# Altium PCB Copy of foxbms2-master.PcbDoc (part 8 of 11) (continued)
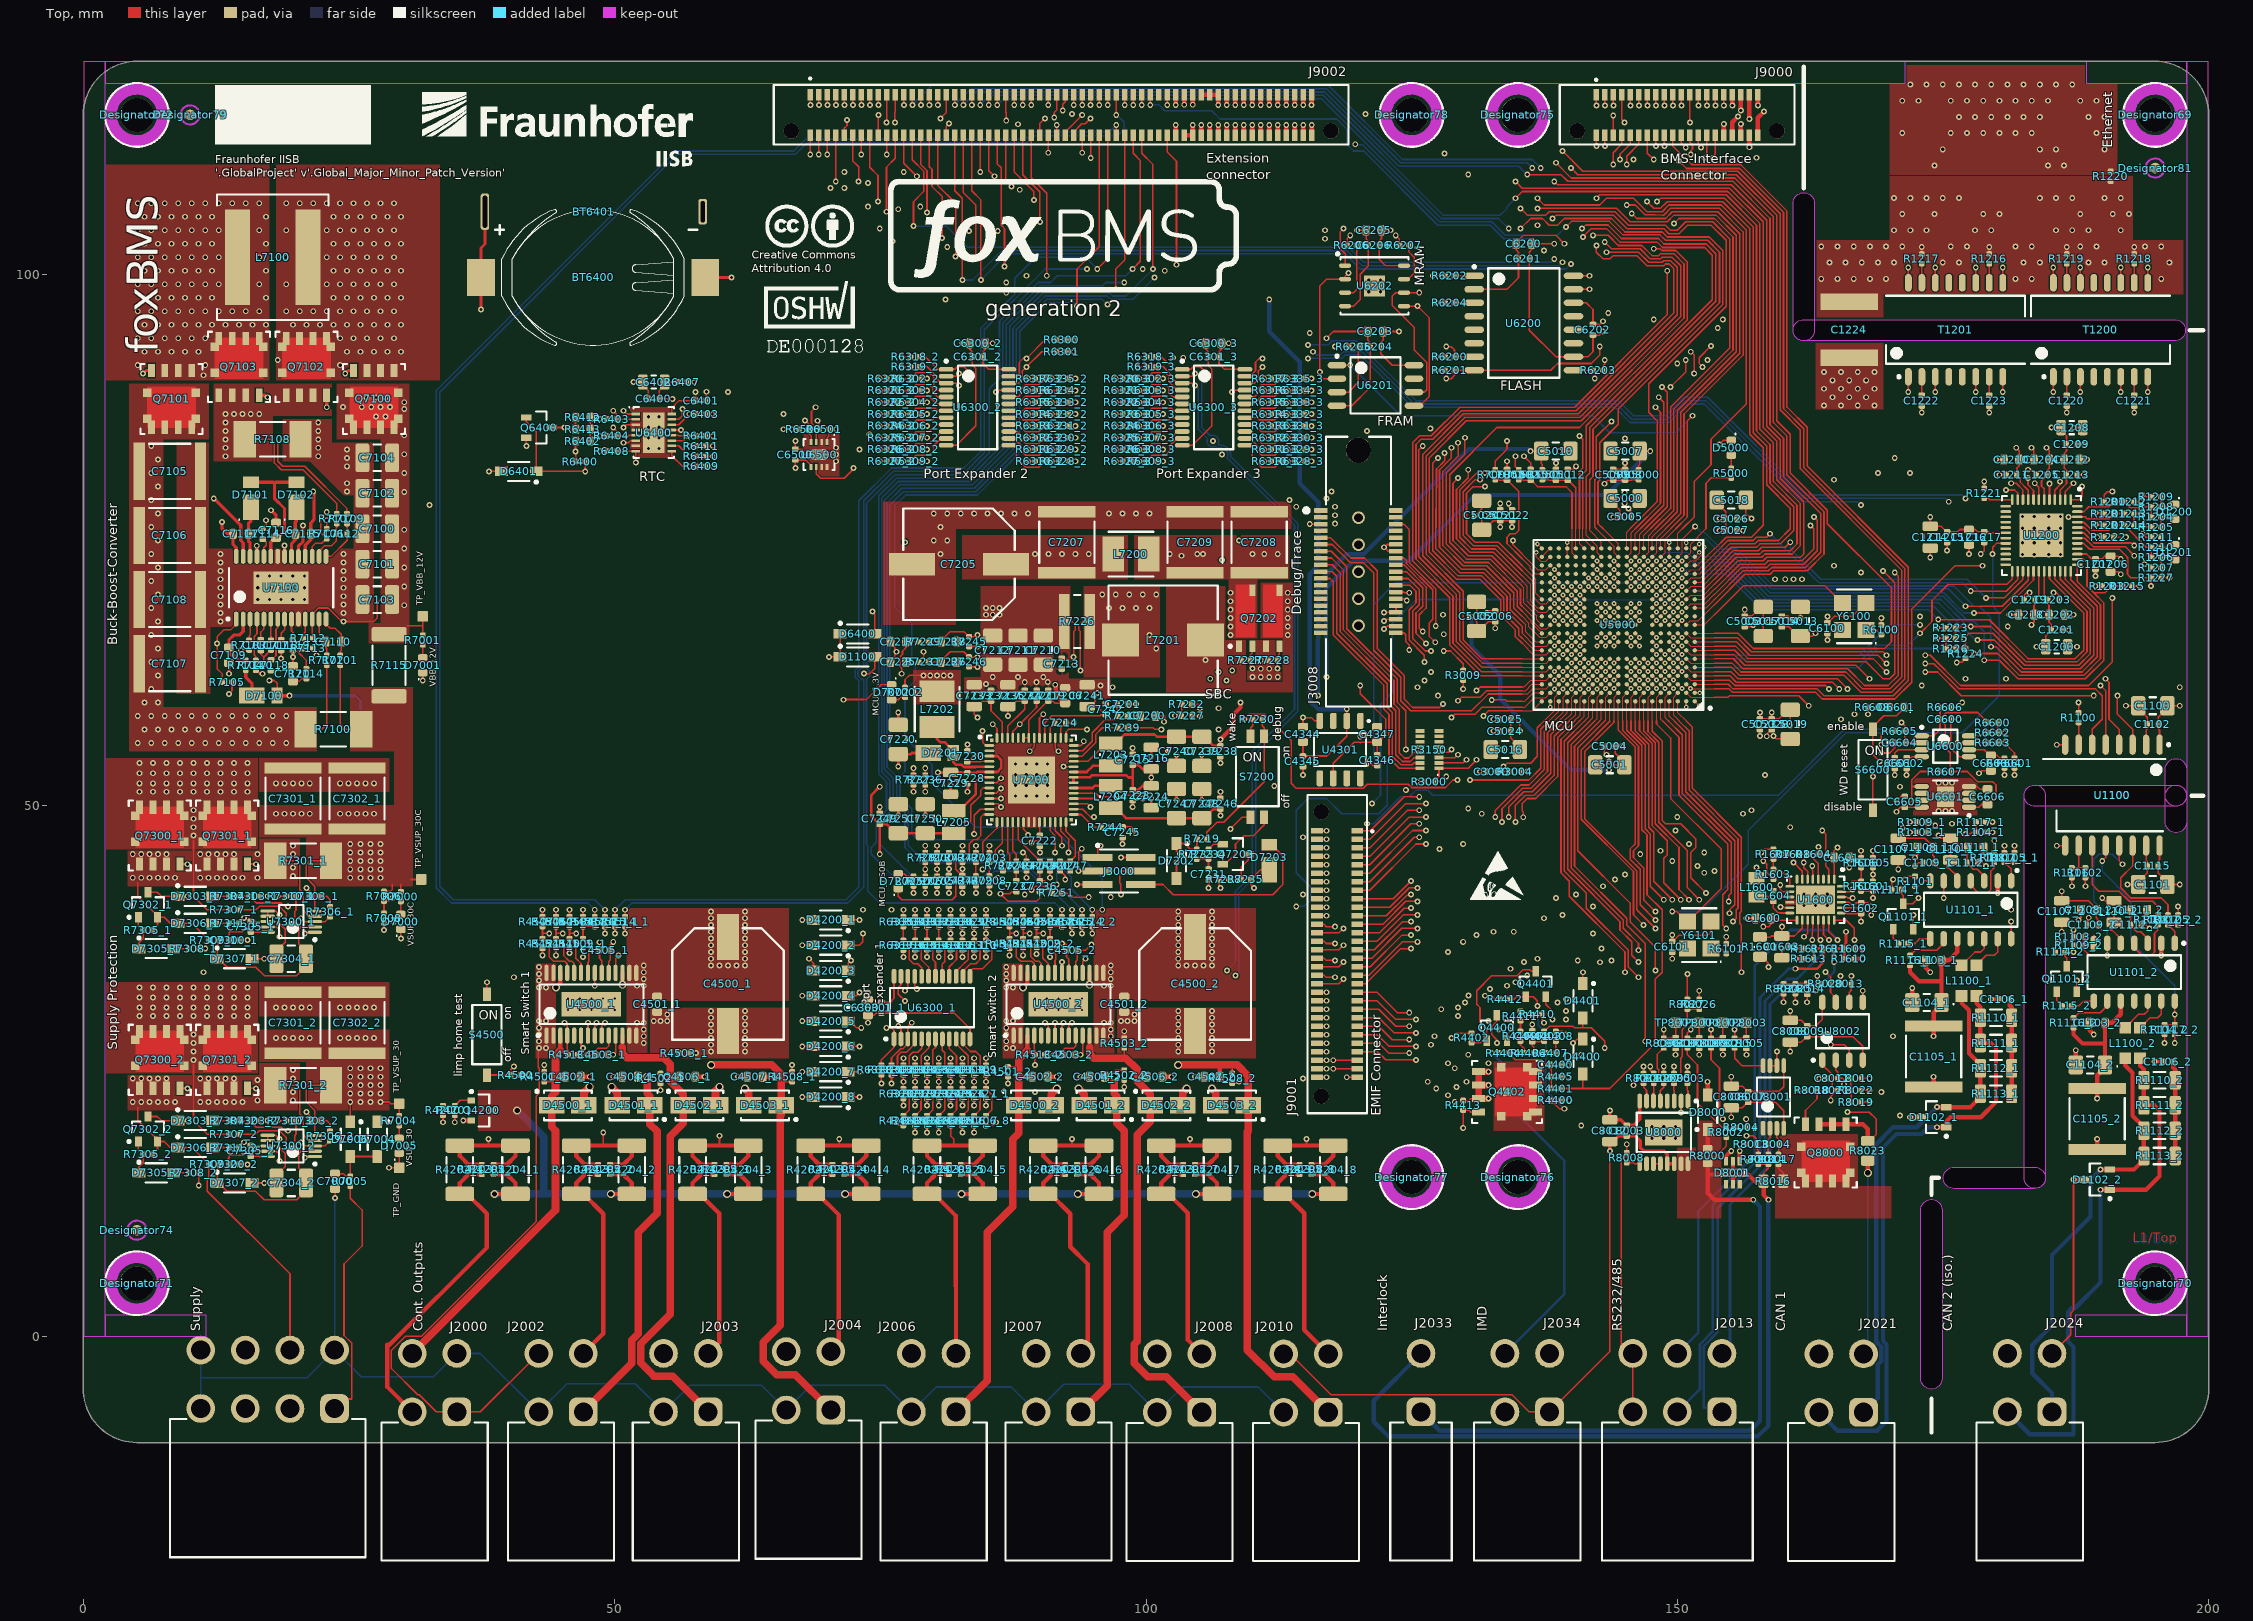
[diagram p0: Top view]
## Nets (pads, with @x,y where several pads share a name; then routed paths per layer and width w, separated by ;. In a path a pad name is that pad's centre, name@x,y a point inside that pad or via, vN(x,y) a via of type N, cw(c..) or ccw(c..) an arc to the next point about the centre after c; other vN are vias at no path point) (continued)
  Int3 (Sig) w0.152: v1(65.881,85.407) v1(65.881,86.836) ; v1(74.93,104.299) 74.93,106.045 75.326,106.441 75.326,109.26 74.93,109.656 74.93,111.919 75.593,112.581 75.593,114.272 v1(75.565,114.3) ; v1(86.836,99.219) 88.741,97.314 v2(88.741,92.075)
  Int1 (Sig) w0.152: v1(49.847,85.566) 49.212,86.201 49.212,87.312 49.689,87.789 54.813,87.789 54.972,87.63 55.721,87.63 56.039,87.947 59.055,87.947 60.166,86.836 v1(65.881,86.836) 69.374,86.836 v2(70.802,85.407) 72.866,85.407 73.819,86.36 73.819,90.964 76.041,93.186 79.851,93.186 80.962,92.075 v2(88.741,92.075) 89.218,91.599 96.996,91.599 98.347,92.949 104.704,92.949 110.092,92.949 v2(110.966,92.075) ; v1(65.881,85.407) 65.881,81.69 72.072,75.498 72.072,36.83 v2(77.311,31.591) ; v1(74.93,104.299) 75.565,103.664 78.74,103.664 82.074,100.33 85.725,100.33 v1(86.836,99.219)
  Int4 (Sig) w0.152: v1(75.565,114.3) 75.565,112.554 77.311,110.807 94.132,110.807 94.627,110.312 125.023,110.312 137.477,97.858 137.477,90.805 143.669,84.614 143.669,81.756 145.415,80.01 152.241,80.01 154.781,77.47 154.781,61.277 156.686,59.372 v1(162.401,59.372)
MCU_JTAG.\TRST_1: R3000.2 R3150.1 U5000.D18 | length 19.3
  Top w0.102: 135.414,61.145 135.595,61.145 136.243,61.793 137.663,61.793 U5000.D18@138.063,62.192
  Top w0.152: R3000.2@127.133,52.229 127.583,52.679 R3150.1@127.583,53.495 130.33,53.495 v1(131.127,54.292) ; v1(131.127,60.801) 131.471,61.145 135.414,61.145
  Int1 (Sig) w0.152: v1(131.127,54.292) v1(131.127,60.801)
MCU_JTAG.RTCK_1: J3008.13 U5000.A16 | length 51.8
  Top w0.102: 138.906,57.944 139.663,58.7 U5000.A16@139.663,59.792
  Top w0.152: J3008.13@116.47,73.92 117.435,73.92 118.904,72.452 118.904,66.625 123.666,61.863 123.666,59.69 124.46,58.896 v1(124.46,55.245) ; v1(133.509,48.419) 133.509,49.689 135.414,51.594 136.207,51.594 137.795,53.181 137.795,56.832 138.906,57.944
  Int3 (Sig) w0.152: v1(124.46,51.435) 130.165,51.435 132.158,49.442 132.158,48.658 132.715,48.101 133.191,48.101 v1(133.509,48.419)
  Int1 (Sig) w0.152: v1(124.46,51.435) v1(124.46,55.245)
MCU_JTAG.TCK_1: R3150.4 U5000.B18 | length 14.6
  Top w0.102: 135.414,59.238 135.653,59.238 136.56,60.145 137.615,60.145 U5000.B18@138.063,60.593
  Top w0.152: R3150.4@127.583,54.995 128.496,54.995 v1(128.746,55.245) ; v1(128.746,58.261) 129.064,58.579 130.969,58.579 131.628,59.238 135.414,59.238
  Int1 (Sig) w0.152: v1(128.746,55.245) v1(128.746,58.261)
MCU_JTAG.TDI_1: R3150.2 U5000.A17 | length 18.9
  Top w0.102: 137.954,57.944 138.863,58.853 U5000.A17@138.863,59.792
  Top w0.152: R3150.2@127.583,53.995 129.877,53.995 v1(130.175,54.292) ; v1(130.493,52.387) 136.049,52.387 137.16,53.499 137.16,57.15 137.954,57.944
  Int1 (Sig) w0.152: v1(130.175,54.292) 130.175,52.705 v1(130.493,52.387)
MCU_JTAG.TDO_1: J3008.11 U5000.C18 | length 34.7
  Top w0.102: 135.414,60.484 135.919,60.484 136.428,60.992 137.663,60.992 U5000.C18@138.063,61.392
  Top w0.152: J3008.11@116.47,74.56 117.526,74.56 119.231,72.855 120.452,72.855 121.444,71.864 121.444,64.611 123.984,62.071 123.984,59.849 124.936,58.896 130.651,58.896 132.239,60.484 135.414,60.484
MCU_JTAG.TMS_1: R3150.3 U5000.C19 | length 15.5
  Top w0.102: 135.414,60.801 135.728,60.801 136.319,61.392 U5000.C19@137.263,61.392
  Top w0.152: R3150.3@127.583,54.495 129.108,54.495 v1(129.381,54.769) ; v1(129.381,59.849) 129.699,60.166 131.445,60.166 132.08,60.801 135.414,60.801
  Int1 (Sig) w0.152: v1(129.381,54.769) v1(129.381,59.849)
MCU_LIN1.RX_1: J9002.21 U5000.A7 | length 155.7
  Top w0.102: 146.863,57.944 U5000.A7@146.863,59.792
  Top w0.152: v1(76.359,114.3) 76.359,115.225 76.4,115.266 J9002.21@76.4,116.9 ; 146.863,57.944 146.863,56.995 147.955,55.903 147.955,48.26 150.177,46.038 150.177,42.069 v1(151.13,41.116)
  Int3 (Sig) w0.152: v1(76.359,114.3) 76.373,114.285 76.373,106.428 v1(76.676,106.126)
  Int4 (Sig) w0.152: v1(76.676,106.126) 77.345,106.126 79.172,104.299 81.519,104.299 82.631,103.188 84.772,103.188 85.09,102.87 87.947,102.87 88.424,102.394 91.44,102.394 92.075,103.029 112.554,103.029 123.031,92.551 123.031,59.531 126.682,55.88 126.682,51.117 131.445,46.355 146.358,46.355 151.13,41.583 v1(151.13,41.116)
MCU_LIN1.TX_1: J9002.22 U5000.B7 | length 154.5
  Top w0.102: 146.463,57.944 146.463,60.193 U5000.B7@146.863,60.593
  Top w0.152: v1(75.565,105.886) 75.565,110.089 76.4,110.924 J9002.22@76.4,113.1 ; 146.463,57.944 146.463,57.036 147.642,55.856 147.642,48.096 149.066,46.672 149.066,45.332 148.749,45.015 148.749,42.704 v1(150.336,41.116)
  Int4 (Sig) w0.152: v1(75.565,105.886) 77.47,103.981 81.28,103.981 82.391,102.87 84.614,102.87 84.931,102.552 87.789,102.552 88.265,102.076 91.599,102.076 92.234,102.711 112.395,102.711 122.714,92.393 122.714,75.882 121.825,74.993 121.825,60.261 126.365,55.721 126.365,50.959 131.286,46.038 144.939,46.038 146.209,44.767 147.479,44.767 150.336,41.91 v1(150.336,41.116)
MCU_LIN2.RX_1: J9002.23 U5000.P4 | length 115.8
  Top w0.102: U5000.P4@149.263,70.192 v3(149.662,70.592)
  Top w0.152: v1(77.2,115.947) J9002.23@77.2,116.9
  Int3 (Sig) w0.152: 77.192,115.252 v1(77.192,109.618) 77.196,109.622 77.196,115.944 v1(77.2,115.947)
  Int4 (Sig) w0.102: 140.017,76.041 141.287,74.771 148.273,74.771 149.263,73.781 149.263,70.992 v3(149.662,70.592)
  Int4 (Sig) w0.152: v1(77.192,109.618) 77.743,109.618 77.979,109.855 83.207,109.855 84.477,108.585 86.236,108.585 86.871,109.22 93.268,109.22 93.763,108.724 124.366,108.724 135.89,97.2 135.89,88.582 141.446,83.026 141.446,81.597 139.859,80.01 139.859,76.2 140.017,76.041
MCU_LIN2.TX_1: J9002.24 U5000.T5 | length 103.7
  Top w0.102: U5000.T5@148.462,71.792 v3(148.862,72.192)
  Top w0.152: J9002.24@77.2,113.1 77.2,110.443 v1(78.422,109.22)
  Int4 (Sig) w0.102: 139.541,76.041 139.541,75.928 141.015,74.454 147.955,74.454 148.44,73.969 148.44,72.615 v3(148.862,72.192)
  Int4 (Sig) w0.152: v1(78.422,109.22) 78.74,109.537 83.049,109.537 84.319,108.267 86.394,108.267 87.029,108.902 93.09,108.902 93.585,108.407 124.234,108.407 135.572,97.069 135.572,88.424 141.129,82.867 141.129,81.756 139.541,80.169 139.541,76.041
MCU_MII.RXCLK_1: U1200.32 U5000.T4 | length 51.7
  Top w0.102: U5000.T4@149.263,71.792 v3(149.662,72.192)
  Top w0.152: v1(174.587,67.483) 174.6,67.469 179.387,67.469 183.039,63.817 187.484,63.817 188.278,64.611 188.278,68.104 185.059,71.323 U1200.32@185.059,72.031
  Bottom w0.102: v3(149.662,72.192) 150.04,71.815 153.511,71.815
  Bottom w0.152: 153.511,71.815 154.562,71.815 157.956,68.421 173.648,68.421 173.755,68.314 v1(174.587,67.483)
MCU_MII.RXCTRL_1: R1203.1 R1215.2 U1200.38 U5000.U6 | length 64.1
  Top w0.102: U5000.U6@147.663,72.592 v3(148.063,72.992)
  Top w0.152: v1(178.911,63.659) 180.34,63.659 182.086,61.912 188.436,61.912 190.183,63.659 190.183,69.056 189.23,70.009 ; U1200.38@187.684,73.156 188.305,73.156 188.595,72.866 188.595,70.644 189.23,70.009 ; R1215.2@191.929,70.644 R1203.1@190.924,70.644 190.289,70.009 189.23,70.009
  Bottom w0.102: v3(148.063,72.992) 148.889,73.819 150.971,73.819 151.606,73.184 153.511,73.184
  Bottom w0.152: 153.511,73.184 155.099,73.184 158.591,69.691 175.048,69.691 177.351,67.388 177.871,67.388 178.911,66.348 v1(178.911,63.659)
MCU_MII.RXD0_1: R1223.1 R1225.2 U1200.33 U5000.U4 | length 55.6
  Top w0.102: U5000.U4@149.263,72.592 v3(149.662,72.992)
  Top w0.152: R1225.2@176.213,65.722 176.213,66.347 R1223.1@176.212,66.723 176.589,66.723 176.7,66.834 v1(177.641,66.834) 179.546,66.834 182.88,63.5 187.642,63.5 188.595,64.453 188.595,68.263 185.559,71.299 U1200.33@185.559,72.031
  Bottom w0.102: v3(149.662,72.992) 150.171,73.501 150.812,73.501 151.447,72.866 153.511,72.866
  Bottom w0.152: 153.511,72.866 154.94,72.866 158.433,69.374 174.845,69.374 177.31,66.91 177.565,66.91 v1(177.641,66.834)
MCU_MII.RXD1_1: R1224.1 R1226.2 U1200.34 U5000.T3 | length 54.6
  Top w0.102: U5000.T3@150.063,71.792 v3(150.463,72.192)
  Top w0.152: R1226.2@176.212,64.738 176.589,64.738 176.595,64.744 R1224.1@177.165,64.744 177.165,65.456 177.006,65.615 v1(177.006,65.722) 177.482,66.199 179.705,66.199 182.721,63.182 187.801,63.182 188.912,64.294 188.912,68.421 186.059,71.275 U1200.34@186.059,72.031
  Bottom w0.102: v3(150.463,72.192) 153.511,72.192
  Bottom w0.152: 153.511,72.192 154.661,72.192 158.115,68.739 174.149,68.739 176.679,66.209 176.679,66.05 v1(177.006,65.722)
MCU_MII.RXD2_1: U1200.35 U5000.U3 | length 53.1
  Top w0.102: U5000.U3@150.063,72.592 v3(150.463,72.992)
  Top w0.152: v1(178.276,65.564) 179.864,65.564 182.562,62.865 187.96,62.865 189.23,64.135 189.23,68.58 186.559,71.251 U1200.35@186.559,72.031
  Bottom w0.102: v3(150.463,72.992) 150.906,72.549 153.511,72.549
  Bottom w0.152: 153.511,72.549 154.781,72.549 158.274,69.056 174.606,69.056 178.022,65.64 178.2,65.64 v1(178.276,65.564)
MCU_MII.RXD3_1: U1200.36 U5000.V3 | length 58.3
  Top w0.102: U5000.V3@150.063,73.392 150.463,73.792 150.463,75.027 151.476,76.041
  Top w0.152: 151.476,76.041 v1(151.7,76.265) ; v1(179.546,64.929) 180.022,64.929 182.404,62.547 188.119,62.547 189.547,63.976 189.547,68.739 187.059,71.228 U1200.36@187.059,72.031
  Bottom w0.102: 151.924,76.041 152.247,75.718 152.564,75.718 153.511,74.771
  Bottom w0.152: v1(151.7,76.265) 151.924,76.041 ; 153.511,74.771 154.146,74.136 155.575,74.136 159.067,70.644 176.054,70.644 177.959,68.739 178.435,68.739 179.546,67.627 v1(179.546,64.929)
MCU_MII.RXER_1: R1201.1 R1213.2 U1200.46 U5000.U5 | length 47.3
  Top w0.102: U5000.U5@148.462,72.592 v3(148.862,72.992)
  Top w0.152: v2@186.694,77.156 v2(186.862,77.156) U1200.46@187.684,77.156 188.433,77.156 188.595,76.994 190.632,76.994 R1201.1@191.109,77.47 R1213.2@192.114,77.47
  Int3 (Sig) w0.102: v3(148.862,72.992) 149.24,72.615 153.511,72.615
  Int3 (Sig) w0.152: 153.511,72.615 154.371,72.615 155.802,74.045 172.788,74.045 173.831,75.089 179.07,75.089 182.245,78.264 185.835,78.264 186.862,77.237 v2(186.862,77.156)
MCU_MII.TXCLK_1: U1200.29 U5000.U7 | length 41.9
  Top w0.102: U5000.U7@146.863,72.592 v3(147.262,72.992)
  Top w0.152: v1(177.959,68.104) 180.452,68.104 183.559,71.211 U1200.29@183.559,72.031
  Bottom w0.102: v3(147.262,72.992) 148.406,74.136 151.13,74.136 151.825,73.441 153.511,73.441
  Bottom w0.152: 153.511,73.441 155.317,73.441 158.75,70.009 175.106,70.009 177.011,68.104 v1(177.959,68.104)
MCU_MII.TXD0_1: U1200.28 U5000.U8 | length 42.5
  Top w0.102: U5000.U8@146.063,72.592 v3(146.463,72.992)
  Top w0.152: v1(177.165,68.739) 180.616,68.739 183.059,71.182 U1200.28@183.059,72.031
  Bottom w0.102: v3(146.463,72.992) 148.581,75.111 152.695,75.111 153.511,74.295
  Bottom w0.152: 153.511,74.295 153.987,73.819 155.416,73.819 158.845,70.39 175.514,70.39 v1(177.165,68.739)
MCU_MII.TXD1_1: U1200.27 U5000.R1 | length 36.5
  Top w0.102: U5000.R1@151.663,70.992 152.272,70.992 153.511,72.231
  Top w0.152: 153.511,72.231 155.257,73.977 157.639,73.977 157.956,74.295 160.179,74.295 v1(160.655,74.771) ; v1(179.07,69.532) 180.816,69.532 182.559,71.275 U1200.27@182.559,72.031
  Bottom w0.152: v1(160.655,74.771) 160.655,74.136 163.512,71.279 177.324,71.279 v1(179.07,69.532)
MCU_MII.TXD2_1: U1200.26 U5000.T2 | length 36.2
  Top w0.102: U5000.T2@150.862,71.792 151.262,72.192 152.044,72.192 153.511,73.66
  Top w0.152: 153.511,73.66 154.781,74.93 157.162,74.93 157.48,75.248 158.433,75.248 v1(158.75,75.565) ; v1(177.641,70.168) 180.975,70.168 182.059,71.251 U1200.26@182.059,72.031
  Bottom w0.152: v1(158.75,75.565) 163.354,70.961 176.847,70.961 v1(177.641,70.168)
MCU_MII.TXD3_1: U1200.25 U5000.G4 | length 37.6
  Top w0.102: U5000.G4@149.263,64.592 v3(149.662,64.193)
  Top w0.152: v1(172.879,66.199) 173.994,67.314 173.994,69.279 175.517,70.802 181.059,70.802 181.559,71.302 U1200.25@181.559,72.031
  Bottom w0.102: v3(149.662,64.193) 150.04,63.815 151.763,63.815 151.765,63.817 153.511,63.817
  Bottom w0.152: 153.511,63.817 167.481,63.817 168.751,65.087 171.767,65.087 v1(172.879,66.199)
MCU_MII.TXEN_1: U1200.37 U5000.E4 | length 53.1
  Top w0.102: U5000.E4@149.263,62.993 v3(149.662,62.593)
  Top w0.152: v1(177.959,64.294) 180.181,64.294 182.245,62.23 188.278,62.23 189.865,63.817 189.865,68.897 187.684,71.079 U1200.37@187.684,72.656
  Bottom w0.102: v3(149.662,62.593) 150.04,62.97 153.511,62.97
  Bottom w0.152: 153.511,62.97 167.11,62.97 168.91,64.77 177.482,64.77 v1(177.959,64.294)
MCU_RST.\ERROR_1: U5000.B14 U7200.31 | length 61.4
  Top w0.102: 140.335,57.944 140.863,58.471 140.863,60.193 U5000.B14@141.263,60.593
  Top w0.152: U7200.31@93.18,50.137 94.484,50.137 v2(94.774,49.847) ; v1(135.511,48.883) 135.511,49.365 135.414,49.462 135.414,50.165 135.89,50.641 136.684,50.641 138.748,52.705 138.748,56.356 140.335,57.944
  Int3 (Sig) w0.152: v2(94.774,49.847) 94.932,49.847 96.203,48.578 106.204,48.578 106.68,48.101 107.315,48.101 110.172,50.959 122.714,50.959 124.619,52.864 126.206,52.864 127.317,51.752 130.334,51.752 132.398,49.689 134.62,49.689 135.426,48.883 v1(135.511,48.883)
MCU_RST.\PORRST_1: C7237.2 J9002.81 R7241.1 R7249.2 U5000.W7 | length 211
  Top w0.102: U5000.W7@146.863,74.192 146.863,75.425 147.479,76.041
  Top w0.152: C7237.2@87.789,42.896 R7249.2@87.789,43.841 88.165,44.218 88.218,44.218 R7241.1@88.741,44.741 88.741,45.244 88.432,45.553 v1(88.415,45.553) ; v1(100.4,115.947) J9002.81@100.4,116.9 ; v1(135.255,106.204) 135.89,105.569 137.636,105.569 137.954,105.886 144.145,105.886 145.415,104.616 148.907,104.616 149.384,104.14 150.019,104.14 150.812,104.934 153.352,104.934 154.94,103.346 154.94,93.027 149.384,87.471 149.384,77.946 147.479,76.041
  Int3 (Sig) w0.152: v1(100.4,115.947) 100.4,114.865 100.965,114.3 100.965,101.997 101.202,101.761 101.202,100.091 v1(100.806,99.695) ; v1(135.255,106.204) 135.255,105.36 134.701,104.805 134.701,102.948 135.414,102.235 v1(137.477,102.235)
  Bottom w0.152: v1(88.415,45.553) 87.136,45.553 86.509,44.926 78.899,44.926 77.629,46.196 77.629,49.53 76.517,50.641 76.517,52.705 75.611,53.611 75.611,78.469 76.994,79.851 83.82,79.851 87.471,83.502 87.471,94.932 90.487,97.949 96.361,97.949 96.679,97.631 98.742,97.631 v1(100.806,99.695) ; v1(100.4,115.947) 101.216,115.947 101.77,115.393 106.183,115.393 106.959,114.617 117.951,114.617 118.904,113.665 118.904,112.236 119.539,111.601 120.491,111.601 127.476,104.616 132.398,104.616 133.667,103.346 136.366,103.346 v1(137.477,102.235)
MCU_SCI3.RX_1: J9002.25 U5000.W3 | length 121.7
  Top w0.102: U5000.W3@150.063,74.192 150.063,75.609 150.495,76.041
  Top w0.152: v1(78,115.947) J9002.25@78,116.9 ; v1(136.843,107.156) 137.477,106.521 142.716,106.521 143.351,107.156 145.891,107.156 147.161,105.886 148.59,105.886 149.225,106.521 154.146,106.521 156.528,104.14 156.528,87.794 153.194,84.46 153.194,82.074 151.606,80.486 151.606,77.153 150.495,76.041
  Int3 (Sig) w0.152: v1(136.843,107.156) 137.16,107.474 v1(137.16,110.014)
  Bottom w0.152: v1(78,115.947) 79.845,117.792 117.158,117.792 124.143,110.807 136.366,110.807 v1(137.16,110.014)
MCU_SCI3.TX_1: J9002.26 U5000.N2 | length 146.5
  Top w0.102: U5000.N2@150.862,69.393 151.262,69.792 152.501,69.792 153.511,70.802
  Top w0.152: J9002.26@78,113.1 78,110.772 79.057,109.715 79.057,107.791 78.105,106.839 v1(78.105,104.536) ; v1(138.43,108.744) 138.747,108.426 141.551,108.426 155.099,108.426 158.433,105.093 158.433,85.698 159.702,84.428 159.702,80.804 161.925,78.581 161.925,73.66 161.607,73.343 158.433,73.343 158.115,73.025 155.734,73.025 153.511,70.802
  Int3 (Sig) w0.152: v1(138.43,101.441) 138.43,102.086 137.636,102.88 137.636,107.95 v1(138.43,108.744)
  Bottom w0.152: v1(78.105,104.536) 81.202,104.536 83.185,102.552 119.062,102.552 120.491,101.124 138.112,101.124 v1(138.43,101.441)
MCU_SCI4.RX_1: U1600.2 U5000.A13 | length 58.1
  Top w0.102: 141.764,57.944 142.062,58.242 U5000.A13@142.062,59.792
  Top w0.152: 141.764,57.944 139.7,55.88 139.7,43.974 144.621,39.052 144.621,38.259 145.732,37.148 145.732,35.877 v1(146.368,35.242) ; v1(163.671,47.625) 163.989,47.307 163.989,44.291 164.286,43.994 U1600.2@164.286,43.041
  Int3 (Sig) w0.152: v1(146.368,35.242) 147.401,36.276 147.401,40.562 149.225,42.386 153.433,42.386 158.354,47.307 163.354,47.307 v1(163.671,47.625)
MCU_SCI4.TX_1: U1600.7 U5000.B13 | length 61.6
  Top w0.102: 141.287,57.944 141.663,58.319 141.663,60.193 U5000.B13@142.062,60.593
  Top w0.152: 141.287,57.944 139.382,56.039 139.382,43.815 141.446,41.751 141.446,40.322 145.415,36.354 145.415,34.766 v1(146.368,33.814) ; v2(160.972,44.609) 161.786,43.795 U1600.7@161.786,43.041
  Int3 (Sig) w0.152: v1(146.368,33.814) 145.097,35.084 145.097,39.846 147.955,42.704 153.194,42.704 158.115,47.625 160.338,47.625 v1(160.655,47.942)
  Int1 (Sig) w0.152: v1(160.655,47.942) 160.972,47.625 v2(160.972,44.609)
MCU_SMI.MDC_1: U1200.42 U5000.T9 | length 56.4
  Top w0.102: U5000.T9@145.263,71.792 v3(145.663,72.192)
  Top w0.152: U1200.42@187.684,75.156 188.369,75.156 189.166,74.358 192.183,74.358 v2(193.04,73.501)
  Int3 (Sig) w0.102: v3(145.663,72.192) 146.04,71.815 153.511,71.815
  Int3 (Sig) w0.152: 153.511,71.815 154.048,71.815 155.892,73.66 172.879,73.66 173.99,74.771 180.816,74.771 181.451,75.406 186.208,75.406 187.002,74.612 191.929,74.612 v2(193.04,73.501)
MCU_SMI.MDIO_1: R1227.1 U1200.41 U5000.F4 | length 60.5
  Top w0.102: U5000.F4@149.263,63.792 v3(149.662,63.392)
  Top w0.152: U1200.41@187.684,74.656 188.285,74.656 188.837,74.105 191.643,74.105 192.405,73.343 192.405,71.755 192.722,71.438 R1227.1@194.654,71.438 194.654,70.67 v1(194.627,70.644)
  Int3 (Sig) w0.102: v3(149.662,63.392) 150.04,63.015 153.511,63.015
  Int3 (Sig) w0.152: 153.511,63.015 167.155,63.015 169.069,64.929 178.594,64.929 179.387,65.722 192.405,65.722 194.627,67.945 v1(194.627,70.644)
MCU_SPI1.\CS1_1: J9000.6 U5000.F3 | length 74.1
  Top w0.102: U5000.F3@150.063,63.792 v3(150.463,63.392)
  Top w0.152: v1(143.986,114.935) 144,114.921 J9000.6@144,113.1
  Int3 (Sig) w0.102: v3(150.463,63.392) 151.606,64.536 151.606,65.564 153.511,67.469
  Int3 (Sig) w0.152: 153.511,67.469 156.369,70.326 158.274,70.326 158.591,70.009 160.496,70.009 v1(161.766,71.279)
  Int1 (Sig) w0.152: v1(143.986,114.935) 144.304,115.252 152.241,115.252 157.48,110.014 157.48,92.869 158.591,91.757 158.591,78.899 159.702,77.787 159.702,73.343 v1(161.766,71.279)
MCU_SPI1.\CS2_1: J9000.7 U5000.G3 | length 72
  Top w0.102: U5000.G3@150.063,64.592 v3(150.463,64.193)
  Top w0.152: J9000.7@144.8,116.9 144.8,114.583 145.05,114.333 v1(145.05,114.3)
  Int3 (Sig) w0.102: v3(150.463,64.193) 151.289,65.019 151.289,65.722 153.511,67.945
  Int3 (Sig) w0.152: 153.511,67.945 156.21,70.644 158.433,70.644 158.75,70.326 160.02,70.326 v1(160.972,71.279)
  Int1 (Sig) w0.152: v1(145.05,114.3) 145.685,114.935 152.082,114.935 157.162,109.855 157.162,92.71 158.274,91.599 158.274,78.74 159.385,77.629 159.385,72.866 v1(160.972,71.279)
MCU_SPI1.\CS3_1: J9000.8 U5000.J3 | length 70.9
  Top w0.102: U5000.J3@150.063,66.192 v3(150.463,65.792)
  Top w0.152: v1(143.986,110.331) 143.986,111.442 144.8,112.256 J9000.8@144.8,113.1
  Int3 (Sig) w0.102: v3(150.463,65.792) 153.511,68.841
  Int3 (Sig) w0.152: 153.511,68.841 155.949,71.279 v1(159.226,71.279)
  Int1 (Sig) w0.152: v1(143.986,110.331) 143.986,112.399 145.252,113.665 152.4,113.665 156.528,109.537 156.528,92.392 157.639,91.281 157.639,72.866 v1(159.226,71.279)
MCU_SPI1.\CS4_1: J9000.9 U5000.U10 | length 62
  Top w0.102: v4(144.063,72.992) U5000.U10@144.463,72.592
  Top w0.152: v1(145.6,115.887) J9000.9@145.6,116.9
  Int3 (Sig) w0.152: v1(145.6,115.887) 145.6,115.385 146.209,114.776 146.209,111.125 v1(145.891,110.807)
  Int1 (Sig) w0.102: v4(144.063,72.992) 144.571,73.501 145.732,73.501 148.273,76.041
  Int1 (Sig) w0.152: v1(145.891,110.807) 145.891,111.919 147.002,113.03 152.082,113.03 155.892,109.22 155.892,92.551 150.336,86.995 150.336,78.105 148.273,76.041
MCU_SPI1.\CS5_1: J9000.10 U5000.U9 | length 59.3
  Top w0.102: U5000.U9@145.263,72.592 v4(145.663,72.992)
  Top w0.152: v1(144.621,110.807) 144.621,111.284 145.6,112.263 J9000.10@145.6,113.1
  Int1 (Sig) w0.102: v4(145.663,72.992) 148.711,76.041
  Int1 (Sig) w0.152: v1(144.621,110.807) 144.621,112.554 145.415,113.347 152.241,113.347 156.21,109.379 156.21,92.392 150.654,86.836 150.654,77.984 148.711,76.041
MCU_SPI1.CLK_1: J9000.5 U5000.F18 | length 86.9
  Top w0.102: 135.414,63.392 137.663,63.392 U5000.F18@138.063,63.792
  Top w0.152: 135.414,63.392 131.67,63.392 129.54,65.522 129.54,70.009 126.047,73.501 126.047,83.026 129.877,86.856 140.699,86.856 150.019,96.175 150.019,100.647 149.384,101.282 148.749,101.282 148.59,101.124 147.32,101.124 146.368,102.076 v1(143.351,102.076) ; v1(144,115.887) J9000.5@144,116.9
  Int3 (Sig) w0.152: v1(143.351,102.076) 143.827,102.552 143.827,103.505 141.446,105.886 141.446,112.078 142.24,112.871 142.24,114.127 v1(144,115.887)
MCU_SPI1.SIMO0_1: J9000.3 U5000.F19 | length 84.9
  Top w0.102: 135.414,63.792 U5000.F19@137.263,63.792
  Top w0.152: 135.414,63.792 131.629,63.792 129.857,65.564 129.857,70.168 126.365,73.66 126.365,82.867 130.016,86.519 140.838,86.519 150.336,96.017 150.336,100.806 149.529,101.614 148.604,101.614 148.431,101.441 147.479,101.441 146.526,102.394 143.827,102.394 v1(143.192,103.029) ; v1(143.2,115.887) J9000.3@143.2,116.9
  Int3 (Sig) w0.152: v1(143.192,103.029) 143.192,103.664 141.113,105.744 141.113,112.283 141.922,113.093 141.922,114.61 v1(143.2,115.887)
MCU_SPI1.SIMO1_1: J9000.4 U5000.E18 | length 87.6
  Top w0.102: 135.414,62.593 137.663,62.593 U5000.E18@138.063,62.993
  Top w0.152: 135.414,62.593 131.559,62.593 128.905,65.246 128.905,69.691 125.412,73.184 125.412,83.979 125.889,84.455 127,84.455 129.699,87.154 140.494,87.154 149.701,96.361 149.701,100.512 149.248,100.965 148.907,100.965 148.749,100.806 147.161,100.806 146.209,101.759 143.986,101.759 143.669,101.441 143.034,101.441 142.399,102.076 v1(142.399,102.711) ; v1(143.2,112.078) J9000.4@143.2,113.1
  Int3 (Sig) w0.152: v1(142.399,102.711) 142.399,102.076 143.034,101.441 143.669,101.441 144.145,101.917 144.145,103.664 143.2,104.609 v1(143.2,112.078)
MCU_SPI1.SOMI0_1: J9000.1 U5000.G18 | length 84.4
  Top w0.102: 135.414,65.246 136.467,64.193 137.663,64.193 U5000.G18@138.063,64.592
  Top w0.152: 135.414,65.246 134.779,65.881 134.779,66.516 133.413,67.882 133.413,69.31 131.445,71.279 129.222,71.279 126.682,73.819 126.682,82.736 130.148,86.201 140.97,86.201 150.654,95.885 150.654,100.965 149.701,101.917 148.431,101.917 148.273,101.759 147.637,101.759 146.685,102.711 144.463,102.711 143.51,103.664 v1(142.081,103.664) ; v1(142.4,115.887) J9000.1@142.4,116.9
  Int3 (Sig) w0.152: v1(142.081,103.664) 142.081,104.299 140.811,105.569 140.811,112.352 141.605,113.145 141.605,115.093 v1(142.4,115.887)
MCU_SPI1.SOMI1_1: J9000.2 U5000.R2 | length 64.7
  Top w0.102: U5000.R2@150.862,70.992 151.31,71.44 152.244,71.44 153.511,72.707
  Top w0.152: v1(142.399,107.156) 142.716,107.474 154.623,107.474 157.48,104.616 157.48,85.249 158.75,83.979 158.75,80.328 160.972,78.105 160.972,75.882 159.702,74.612 157.797,74.612 157.48,74.295 155.099,74.295 153.511,72.707 ; v1(142.4,112.078) J9000.2@142.4,113.1
  Int3 (Sig) w0.152: v1@142.399,107.157 v1(142.4,112.078)
MCU_SPI2.\CS0_1: R7247.1 U5000.N3 | length 107.9
  Top w0.102: U5000.N3@150.063,69.393 v3(150.463,69.792)
  Top w0.152: R7247.1@92.869,43.841 93.662,44.635 93.662,45.62 v2(93.955,45.913)
  Int1 (Sig) w0.152: v1(142.875,36.512) 143.827,37.465 148.431,37.465 149.384,38.417 150.812,38.417 156.528,44.133 156.528,48.578 157.004,49.054 v1(157.004,49.53)
  Int4 (Sig) w0.102: 149.285,57.944 149.285,65.149 149.541,65.405 149.86,65.405 150.04,65.585 150.04,69.37 v3(150.463,69.792)
  Int4 (Sig) w0.152: v2(93.955,45.913) 93.955,45.903 96.52,43.339 97.949,43.339 99.695,41.593 106.839,41.593 113.665,34.766 118.269,34.766 118.427,34.608 130.651,34.608 132.874,36.83 142.558,36.83 v1(142.875,36.512) ; 149.285,57.944 149.285,51.057 150.336,50.006 156.528,50.006 v1(157.004,49.53)
MCU_SPI2.\sCS2_1: U4500_1.6 U4500_2.6 U5000.D8 | length 225
  Top w0.102: U5000.D8@146.063,62.192 v3(146.463,61.793)
  Top w0.152: U4500_1.6@46.809,28.324 46.809,27.435 46.99,27.254 v1(46.99,27.146) ; v2(90.487,29.527) 90.783,29.232 U4500_2.6@90.782,28.324
  Int3 (Sig) w0.152: v1(46.99,27.146) 46.514,27.622 46.514,29.527 47.149,30.162 50.641,30.162 54.134,33.655 80.01,33.655 82.709,30.956 87.937,30.956 89.366,29.527 v2(90.487,29.527)
  Int1 (Sig) w0.152: v1(142.081,37.941) 142.558,37.941 142.716,37.782 148.273,37.782 149.225,38.735 150.654,38.735 156.21,44.291 v1(156.21,49.212)
  Int4 (Sig) w0.102: v3(146.463,61.793) 146.844,61.411 146.844,57.944
  Int4 (Sig) w0.152: v1(46.99,27.146) 46.196,27.146 44.291,29.051 44.291,29.686 41.434,32.544 41.434,41.116 42.386,42.069 72.749,42.069 73.501,42.821 73.501,45.786 74.656,46.941 74.681,46.941 75.103,47.364 81.253,47.364 82.467,48.578 90.964,48.578 92.869,46.672 94.456,46.672 97.155,43.974 98.266,43.974 100.013,42.227 103.981,42.227 104.934,43.18 107.474,43.18 114.3,36.354 118.269,36.354 118.427,36.195 124.142,36.195 124.777,35.56 130.651,35.56 132.556,37.465 141.605,37.465 v1(142.081,37.941) ; 146.844,57.944 146.844,51.594 148.749,49.689 155.734,49.689 v1(156.21,49.212)
MCU_SPI2.CLK_1: U4500_1.8 U4500_2.8 U5000.E2 U7200.27 | length 249.3
  Top w0.102: U5000.E2@150.862,62.993 151.262,62.593 153.511,62.593
  Top w0.152: U4500_1.8@48.109,28.324 48.109,29.376 v2(48.26,29.527) ; U7200.27@91.967,48.425 91.967,47.574 92.71,46.831 v2(92.71,45.561) ; U4500_2.8@92.082,28.324 92.083,29.376 v2(92.234,29.527) ; 153.511,62.593 155.054,62.593 155.734,61.912 165.1,61.912 v1(166.052,60.96)
  Int3 (Sig) w0.152: v2(48.26,29.527) 48.26,26.829 49.386,25.703 52.448,25.703 58.654,31.909 63.182,31.909 64.294,30.797 81.915,30.797 82.391,30.321 87.63,30.321 89.376,28.575 91.281,28.575 v2(92.234,29.527)
  Int1 (Sig) w0.152: v1(142.735,35.224) 144.78,33.179 145.415,33.179 145.478,33.179 148.114,33.179 151.13,36.195 156.686,36.195 158.75,38.259 158.75,42.545 160.416,44.211 160.416,45.801 159.544,46.672 159.544,53.816 166.052,60.325 v1(166.052,60.96)
  Int4 (Sig) w0.152: v2(48.26,29.527) 47.466,28.734 45.085,28.734 44.689,29.129 44.689,29.764 41.751,32.703 41.751,40.957 42.545,41.751 72.79,41.751 73.819,42.78 73.819,45.72 75.152,47.053 81.302,47.053 82.572,48.323 90.859,48.323 92.71,46.472 v2(92.71,45.561) 93.186,45.085 94.297,45.085 96.361,43.021 97.79,43.021 99.536,41.275 106.68,41.275 113.506,34.449 118.11,34.449 118.269,34.29 130.81,34.29 133.032,36.512 141.446,36.512 v1(142.735,35.224)
MCU_SPI2.SIMO_1: U4500_1.7 U5000.D1 U7200.26 | length 189.2
  Top w0.102: U5000.D1@151.663,62.192 153.511,62.192
  Top w0.152: U4500_1.7@47.459,28.324 v2@47.459,29.52 ; U7200.26@91.468,48.425 91.468,47.597 92.075,46.99 v2(92.075,46.196) ; 153.511,62.192 154.978,62.192 155.575,61.595 164.624,61.595 v1(165.259,60.96)
  Int1 (Sig) w0.152: v1(143.827,35.401) 145.021,35.401 145.734,34.688 146.928,34.688 147.243,35.003 148.033,35.003 149.542,36.512 155.099,36.512 157.48,38.894 157.48,41.91 159.226,43.656 159.226,53.975 165.259,60.008 v1(165.259,60.96)
  Int4 (Sig) w0.152: v2(47.466,29.527) 46.831,30.162 44.767,30.162 42.069,32.861 42.069,40.799 42.704,41.434 72.832,41.434 74.136,42.738 74.136,45.561 75.374,46.799 81.407,46.799 82.677,48.069 90.753,48.069 92.075,46.748 v2(92.075,46.196) 92.075,45.402 92.71,44.767 94.139,44.767 96.203,42.704 97.631,42.704 99.377,40.957 106.521,40.957 114.141,33.337 117.485,33.337 117.802,33.02 130.016,33.02 133.191,36.195 140.811,36.195 142.39,34.616 143.043,34.616 v1(143.827,35.401)